# Altium PCB Power_Board_2.PcbDoc (part 5 of 6)
Units mil, origin at the board's own origin, x right, y up, seen from the top; angles counter-clockwise.
Board outline 6295 x 3940 mil, 4 copper layers (Top Layer, Layer 1, Layer 2, Bottom Layer), stack 70.112 mil thick; 302 components, 180 nets, 927 pads, 3118 vias.
Unrouted connection lines stored in the file: 443.
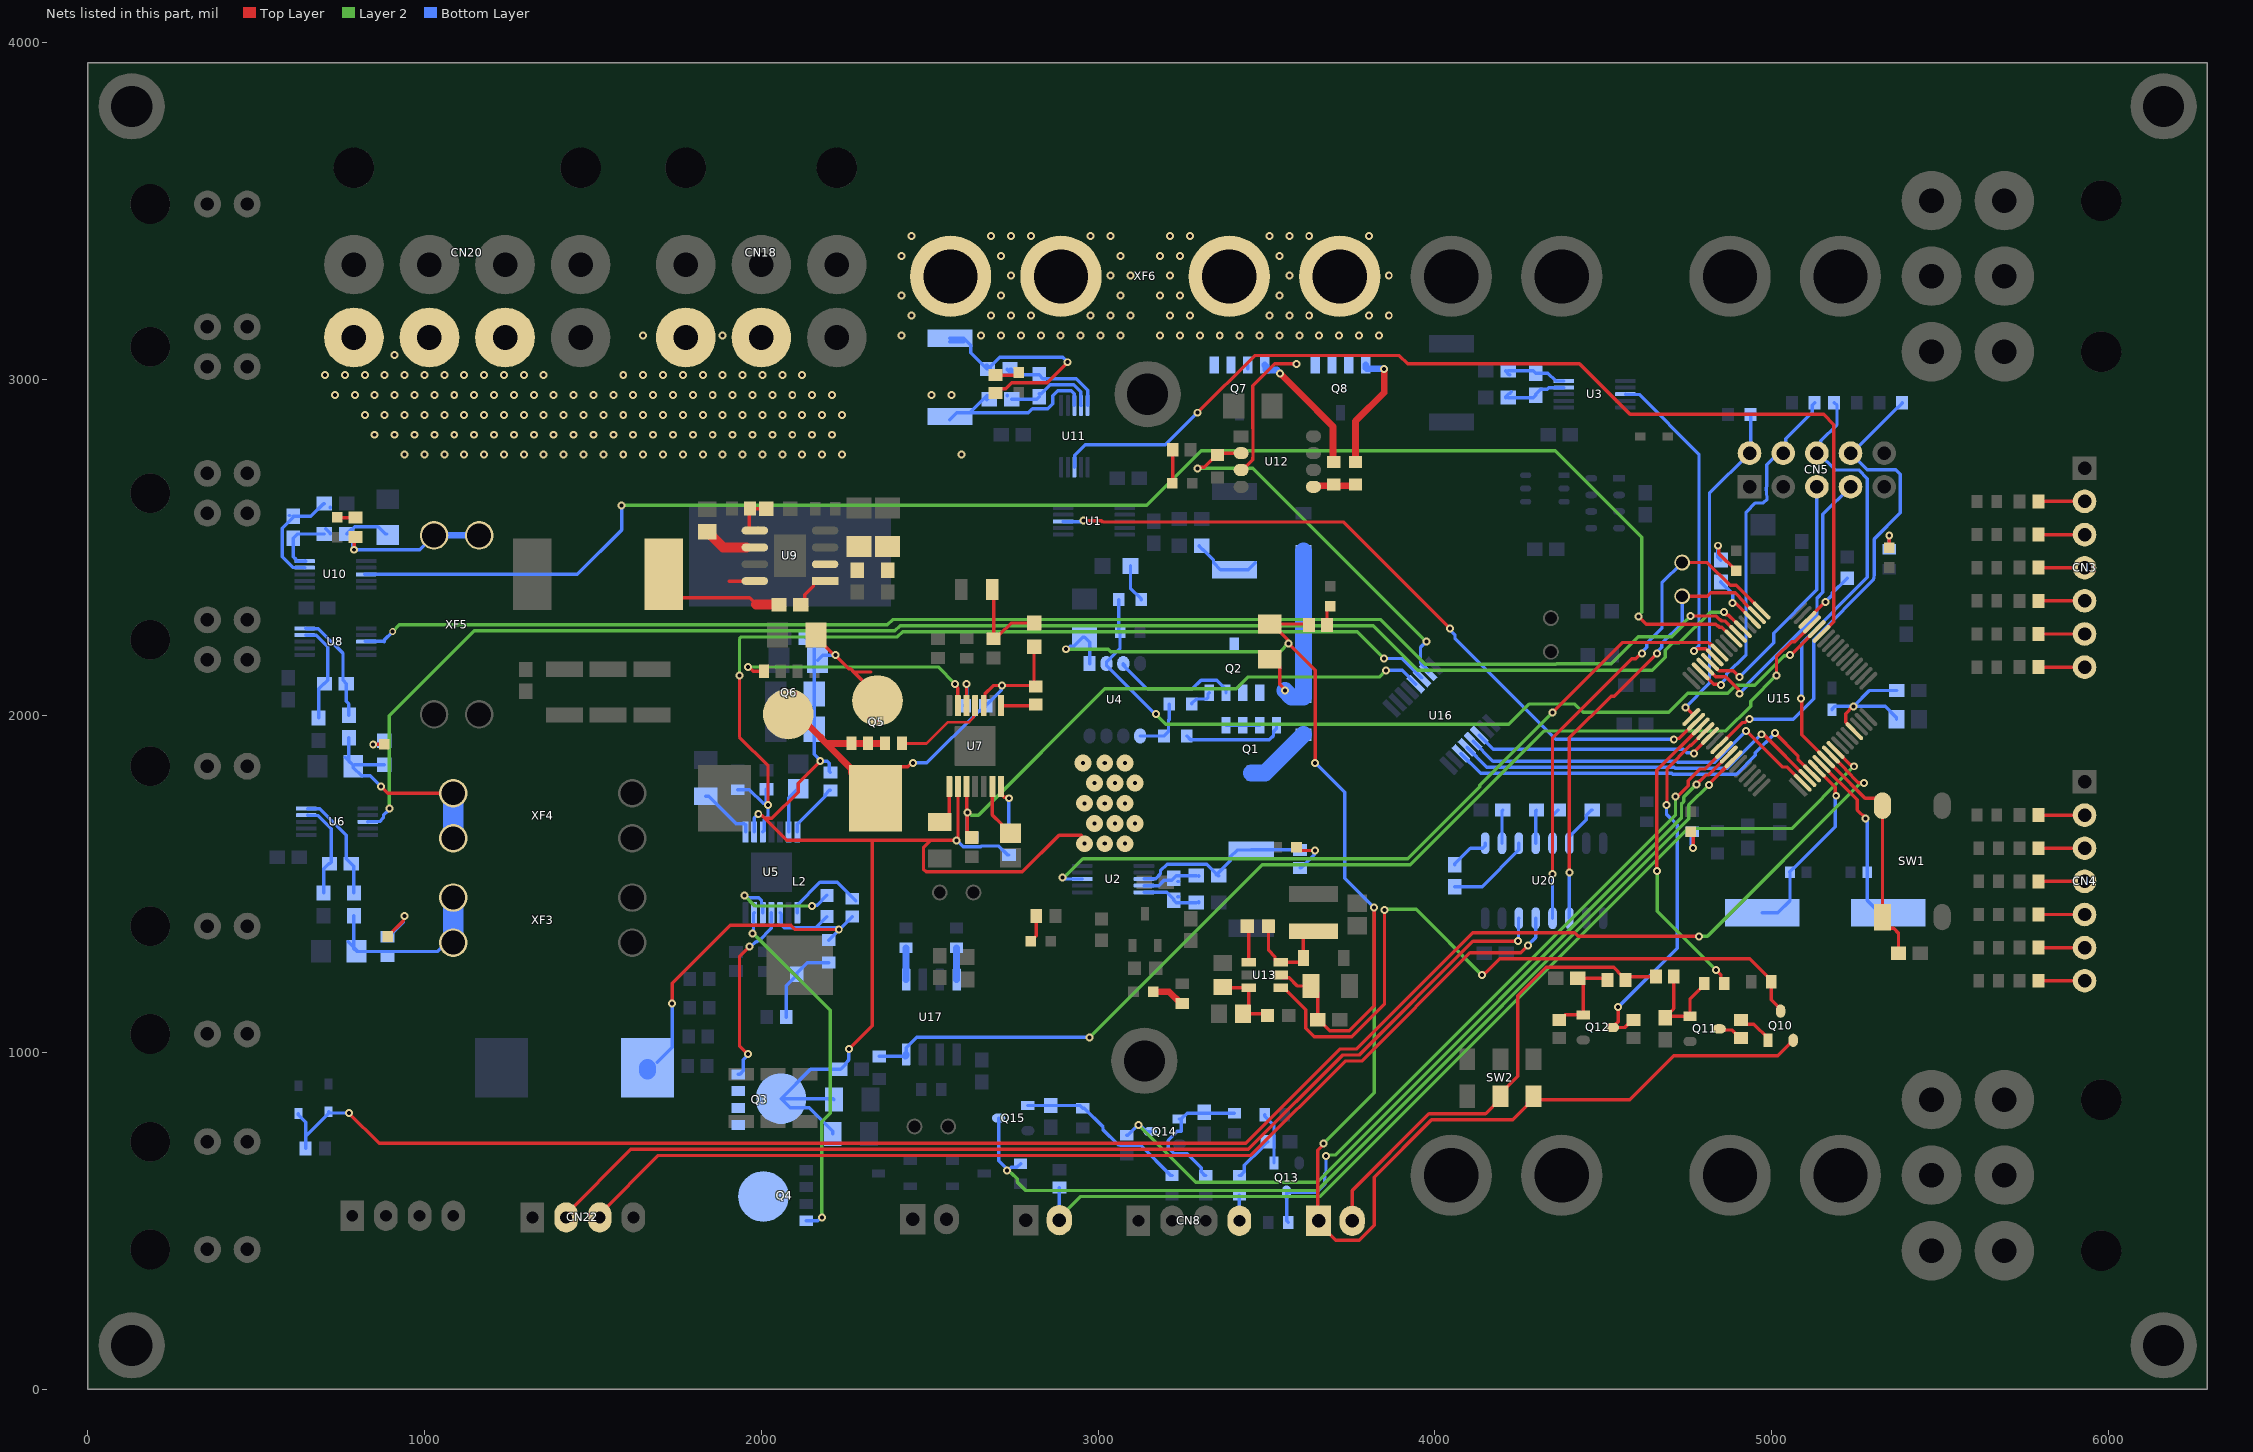
[diagram p6: the nets of this part, all layers, seen from the top]

## Via types
v1: diameter 23.62, hole 11.81, Top Layer to Bottom Layer, tented both sides, 3092 vias
v2: diameter 50, hole 12, Top Layer to Bottom Layer, tented both sides, 15 vias
v3: diameter 15.75, hole 7.87, Top Layer to Bottom Layer, tented both sides, 8 vias
v4: diameter 20, hole 12, Top Layer to Bottom Layer, tented both sides, 3 vias

## Nets (pads, with @x,y where several pads share a name; then routed paths per layer and width w, separated by ;. In a path a pad name is that pad's centre, name@x,y a point inside that pad or via, vN(x,y) a via of type N, cw(c..) or ccw(c..) an arc to the next point about the centre after c; other vN are vias at no path point) (continued)
NetC4_1: C4.1 R16.2 U2.9 | length 173.3
  Bottom Layer w10: U2.9@3136.54,1495.31 3180.18,1495.31 3195.93,1511.07 3218.51,1511.07 3232.44,1525 R16.2@3291.5,1525 ; C4.1@3236.06,1507.64 C4.1@3240,1507.64 ; R16.2@3299.38,1522.92 R16.2@3299.38,1525
NetC4_2: C4.2 R15.2 U2.10 | length 175.4
  Bottom Layer w10: U2.10@3136.54,1475.63 3204.69,1475.63 3225,1455.32 C4.2@3225,1452.44 3232.44,1445 R15.2@3291.5,1445 ; C4.2@3236.06,1462.36 C4.2@3240,1462.36 ; R15.2@3299.38,1445 R15.2@3299.38,1447.08
NetC5_1: C5.1 R18.2 U3.10 | length 195.8
  Bottom Layer w10: R18.2@4210.62,3025 4210.62,3022.92 4220.52,3013.03 R18.2@4222.6,3013.03 ; R18.2@4218.5,3025 4292.56,3025 C5.1@4300,3017.56 4335.67,3017.56 4358.86,2994.37 U3.10@4383.46,2994.37
NetC5_2: C5.2 R17.2 U3.9 | length 204.7
  Bottom Layer w10: R17.2@4210.62,2945 4210.62,2947.08 4220.52,2956.97 4222.6,2956.97 R17.2@4227.99,2962.36 ; R17.2@4218.5,2945 4292.56,2945 C5.2@4300,2952.44 4300,2955.32 4314.92,2970.24 4334.92,2970.24 4338.59,2973.91 4382.68,2973.91 U3.9@4383.46,2974.69
NetC11_1: C11.1 L1.1 Q3.1 Q3.2 Q3.3 Q4.5-6-7-8 R47.2 R48.1 U5.10 | length 1204.3
  Top Layer w10: v1(1735,1145) 1735,1205 1907.58,1377.58 2088.07,1377.58 2100.65,1365 v1(2230,1365)
  Bottom Layer w10: L1.1@1661.54,955 L1.1@1665,958.46 ; L1.1@1690,970 1735,1015 v1(1735,1145) ; U5.10@2055.59,1414.92 2059.32,1411.19 2059.32,1379.18 2068.08,1370.43 2161.92,1370.43 ; C11.1@2195,1403.5 2161.92,1370.43 ; R48.1@2200,1333.46 2236.96,1370.43 2161.92,1370.43 ; v1@2237,1370.43 R47.2@2270,1403.43
  Bottom Layer w50: L1.1@1661.54,945.16 L1.1@1661.54,955
NetC11_2: C11.2 U5.12 | length 365.8
  Layer 2 w10: v1(1949.81,1466.23) 1981.04,1435 v1(2150,1435)
  Bottom Layer w10: v1(1949.81,1466.23) 1953.5,1466.23 1960.31,1459.42 1991.92,1459.42 2000.68,1450.66 2000.68,1441.42 2004.41,1437.68 U5.12@2004.41,1414.92 ; v1(2150,1435) 2152.61,1437.61 2166.11,1437.61 C11.2@2195,1466.5
NetC12_2: C12.2 R44.2 U5.3 U16.14 | length 2858.3
  Top Layer w10: v1(1935,2120) 1935,1936.73 2020,1851.73 v1(2020,1735)
  Layer 2 w10: v1(1935,2120) 1935,2228.14 1940.86,2234 2404,2234 2419.81,2249.81 3770.19,2249.81 v1(3850,2170)
  Bottom Layer w10: R44.2@1930,1780.47 1964.69,1780.47 2005.16,1740 v1@2015,1740 ; U5.3@2004.41,1655.08 2008.14,1658.81 2008.14,1690.82 2020,1702.68 v1(2020,1735) v1@2015,1740 ; C12.2@2015,1781.46 v1@2015,1740 ; v1(3850,2170) 3904.29,2170 U16.14@3962.23,2112.05
NetC15_2: C15.2 C18.2 R48.2 | length 251.3
  Bottom Layer w10: C18.2@2073.54,1105 2073.54,1198.11 2105,1229.57 C15.2@2105,1232.44 2105,1235.32 2136.22,1266.54 R48.2@2200,1266.54
NetC16_1: C16.1 R50.2 U6.9 | length 288.5
  Bottom Layer w10: U6.9@652.4,1704.69 653.18,1703.91 683.22,1703.91 722.36,1664.76 722.36,1564.92 C16.1@717.44,1560 714.92,1560 700,1545.08 R50.2@700,1473.5
NetC16_2: C16.2 R49.2 U6.10 | length 328.8
  Bottom Layer w10: U6.10@652.4,1724.37 653.18,1723.59 688.99,1723.59 767.64,1644.94 767.64,1574.92 C16.2@782.56,1560 790,1552.56 R49.2@790,1473.5
NetC17_1: C17.1 U5.6 | length 141.6
  Bottom Layer w10: U5.6@2081.18,1655.08 2081.18,1756.73 2108,1783.55 C17.1@2110,1783.55
NetC21_2: C21.2 U5.1 | length 174.2
  Bottom Layer w10: C21.2@1835,1760.87 1843.86,1760.87 1925.1,1679.63 1949.37,1679.63 1953.23,1675.77 U5.1@1953.23,1655.08
NetC28_1: C28.1 L2.1 Q5.1 Q5.2 Q5.3 Q6.5-6-7-8 R58.2 R59.2 U7.10 | length 1393.8
  Top Layer w10: L2.1@2338.82,1774.68 2412.56,1848.43 2434.74,1848.43 2446.31,1860 v1(2450,1860) ; U7.10@2660.59,2030.08 2664.32,2033.81 2664.32,2065.82 2688.19,2089.68 2714.68,2089.68 v1(2715,2090) R58.2@2811.57,2090 ; R59.2@2810,2204.57 2810,2091.57 R58.2@2811.57,2090 ; R58.2@2815,2086.57 R58.2@2811.57,2090
  Top Layer w20: Q6.5-6-7-8@2107.17,2005 2176.09,1936.09 2177.42,1936.09 2177.42,1933.25 2192.81,1917.86 ; L2.1@2277.24,1833.43 2192.81,1917.86 ; Q5.3@2367.24,1917.86 Q5.2@2317.24,1917.86 2192.81,1917.86
  Top Layer w40: L2.1@2277.24,1833.43 2280.08,1833.43 2338.82,1774.68 L2.1@2338.82,1755
  Top Layer w50: Q6.5-6-7-8@2080,2005 Q6.5-6-7-8@2107.17,2005
  Layer 2 w10: v1@2714.68,2089.68 v1(2715,2090)
  Bottom Layer w10: v1(2450,1860) 2491.18,1860 2646.57,2015.39 2651.81,2015.39 2660.59,2024.17 C28.1@2660.59,2035.98 ; C28.1@2666.5,2030.08 C28.1@2660.59,2035.98 ; v1(2715,2090) 2712.39,2087.39 2712.39,2075.98 2672.4,2035.98 C28.1@2660.59,2035.98
NetC28_2: C28.2 U7.12 | length 132.8
  Top Layer w10: U7.12@2609.41,2030.08 2609.41,2094.41 v1(2610,2095)
  Bottom Layer w10: C28.2@2603.5,2030.08 2610,2036.57 v1(2610,2095)
NetC29_2: C29.2 R55.2 U7.3 U16.13 | length 1771.8
  Top Layer w10: U7.3@2609.41,1789.92 2610.19,1789.14 v1@2610.19,1714.81 ; v1@2610,1715 v1@2610.19,1714.81 ; C29.2@2625,1638.54 2611.79,1651.75 v1(2611.79,1713.21) ; v1@2610.19,1714.81 v1(2611.79,1713.21) ; v1@2610.19,1714.81 v1(2611.79,1713.21)
  Layer 2 w10: v1(2611.79,1713.21) 2615.48,1713.21 2623.69,1705 2645,1705 3020.19,2080.19 3410.19,2080.19 3445,2115 3835,2115 v1(3855,2135)
  Bottom Layer w10: v1(2611.79,1713.21) 2611.79,1650.28 2622.54,1639.53 R55.2@2625,1639.53 ; v1(3855,2135) 3903.1,2135 U16.13@3944.14,2093.96
NetC30_2: C30.2 C34.2 R59.1 | length 274.1
  Top Layer w10: C34.2@2686.26,2375 2690,2371.26 C30.2@2690,2228.54 ; C30.2@2700,2236.57 2705.67,2242.24 2708.7,2242.24 2741.89,2275.43 R59.1@2810,2275.43
NetC32_1: C32.1 R61.2 U8.9 | length 303.5
  Bottom Layer w10: U8.9@647.4,2239.69 648.18,2238.91 678.22,2238.91 712.36,2204.76 712.36,2104.92 C32.1@702.44,2095 699.92,2095 685,2080.08 R61.2@685,1993.5
NetC32_2: C32.2 R60.2 U8.10 | length 331.2
  Bottom Layer w10: U8.10@647.4,2259.37 648.18,2258.59 683.99,2258.59 757.64,2184.94 757.64,2104.92 C32.2@767.56,2095 767.56,2042.44 775,2035 R60.2@775,2002
NetC33_1: C33.1 U7.6 | length 161.9
  Top Layer w10: U7.6@2686.18,1789.92 2686.18,1705.27 2714.37,1677.08 2714.37,1675.08 2738,1651.45 C33.1@2740,1651.45
NetC37_2: C37.2 U7.1 | length 121.4
  Top Layer w10: C37.2@2530,1684.13 2536.65,1684.13 2558.23,1705.71 U7.1@2558.23,1789.92
NetC39_1: C39.1 U9.1 | length 116
  Top Layer w10: C39.1@2117.56,2330 2129.07,2341.51 2129.07,2359.07 2154.88,2384.88 2154.88,2393.3 2161.58,2400 U9.1@2189.35,2400
NetC39_2: C39.2 L3.1 U9.8 | length 461.9
  Top Layer w10: L3.1@1709.88,2420 1709.88,2402.09 1761.97,2350 1965,2350 1985,2330 ; 1904.25,2400 U9.8@1978.7,2400
  Top Layer w30: 1985,2330 C39.2@2049.57,2330
NetC42_1: C42.1 R70.2 U10.9 | length 325.9
  Bottom Layer w10: C42.1@597.2,2594.76 C42.1@600.08,2594.76 ; U10.9@643.46,2439.69 642.68,2440.46 608.71,2440.46 577.08,2472.1 577.08,2556.76 610,2589.68 C42.1@610,2592.56 662.2,2592.56 699.64,2630 R70.2@701.5,2630 ; R70.2@719.38,2617.92 R70.2@719.38,2620
NetC42_2: C42.2 R69.2 U10.10 | length 216.6
  Bottom Layer w10: U10.10@643.46,2459.37 618.86,2459.37 617.95,2460.28 617.95,2464.13 610,2472.09 C42.2@610,2527.44 622.56,2540 R69.2@701.5,2540 ; U10.10@645,2460.28 645.91,2459.37 U10.10@647.4,2459.37 ; R69.2@706.14,2555.32 719.38,2542.08 R69.2@719.38,2540
NetC45_2: C45.2 U9.6 | length 137.8
  Top Layer w30: C45.2@1840,2546.54 1843.94,2546.54 1852.56,2537.91 1852.56,2533.98 1886.54,2500 U9.6@1956.18,2500
NetC51_1: C51.1 R77.2 U11.9 | length 271.4
  Bottom Layer w10: R77.2@2730.62,2950 R77.2@2730.62,2952.08 ; R77.2@2743.5,2940 2817.56,2940 C51.1@2825,2947.44 ; C51.1@2824.76,2956.4 2831.09,2956.4 2857.73,2983.05 2927.92,2983.05 2948.91,2962.06 2948.91,2922.32 U11.9@2949.69,2921.54
NetC51_2: C51.2 R76.2 U11.10 | length 320.6
  Bottom Layer w10: R76.2@2730.62,3030 2730.62,3027.92 2740.52,3018.03 R76.2@2742.6,3018.03 ; R76.2@2738.5,3030 2740.36,3030 2757.8,3012.56 C51.2@2825,3012.56 2836.51,3001.05 2935.38,3001.05 2969.37,2967.05 U11.10@2969.37,2921.54
NetC54_1: C54.1 D8.K L4.1 U13.6 | length 300
  Top Layer w10: C54.1@3506.5,1375 3506.5,1303.15 3525.59,1284.06 3525.59,1275.2 3533.39,1267.4 U13.6@3542.24,1267.4 3598.23,1267.4 3609.96,1279.13 D8.K@3609.96,1280 3609.96,1341.26 3628.58,1359.88 L4.1@3640,1359.88
NetC54_2: C54.2 U13.1 | length 109.4
  Top Layer w10: C54.2@3443.5,1375 3447.76,1370.75 U13.1@3447.76,1267.4
NetC58_2: C58.2 R82.2 R83.2 U13.3 | length 238.5
  Top Layer w10: R83.2@3370,1194.57 3371.97,1192.6 U13.3@3447.76,1192.6 3447.76,1132.32 R82.2@3430.43,1115 3498.5,1115 C58.2@3503.5,1110
NetC63_2: C63.2 U15.30 | length 144.9
  Top Layer w10: U15.30@5126.32,2304.43 v1(5160.19,2338.3)
  Bottom Layer w10: v1(5160.19,2338.3) 5179.99,2358.1 5179.99,2363.49 C63.2@5225,2408.5
NetC76_1: C76.1 U20.3 | length 254.9
  Bottom Layer w10: C76.1@4060,1492.44 4140.91,1492.44 4250,1601.54 U20.3@4250,1621.22
NetC76_2: C76.2 U20.1 | length 122.4
  Bottom Layer w10: C76.2@4060,1557.56 4060,1560.43 4106.1,1606.54 4142.8,1606.54 4150,1613.74 U20.1@4150,1621.22
NetC77_1: C77.1 U20.2 | length 99.8
  Bottom Layer w10: U20.2@4200,1621.22 4200,1717.44 C77.1@4202.56,1720
NetC78_1: C78.1 U20.5 | length 107.6
  Bottom Layer w10: U20.5@4350,1621.22 4350,1705.08 4364.92,1720 C78.1@4367.56,1720
NetC78_2: C78.2 U20.4 | length 99.8
  Bottom Layer w10: U20.4@4300,1621.22 4300,1717.56 C78.2@4302.44,1720
NetC79_1: C79.1 U20.6 | length 128.4
  Bottom Layer w10: U20.6@4400,1621.22 4400,1640.91 4449.64,1690.55 4449.64,1705.08 4464.57,1720 C79.1@4467.44,1720
NetC83_1: C83.1 Q11.1 R107.1 R108.1 | length 323.2
  Top Layer w10: R107.1@4710,1225 4710,1130.43 4685,1105.43 C83.1@4685,1102.56 4689.84,1107.4 Q11.1@4758.39,1107.4 4758.39,1158.98 4800.47,1201.06 R108.1@4800.47,1205
NetC84_1: C84.1 Q12.1 R109.1 R112.2 | length 282.4
  Top Layer w10: R112.2@4370,1096.57 4372.95,1096.57 4387.92,1111.54 Q12.1@4441.06,1111.54 4441.06,1205.08 C84.1@4426.14,1220 ; C84.1@4425,1220 C84.1@4426.14,1220 ; R109.1@4513.43,1215 4508.43,1220 C84.1@4426.14,1220
NetC85_1: C85.1 Q13.1 R114.1 R117.2 | length 294.2
  Bottom Layer w10: R114.1@3420,634.53 3423.94,634.53 3434.69,645.28 3434.69,664.8 3487.08,717.2 3487.08,720.08 3502.01,735 C85.1@3504.88,735 ; R117.2@3495.47,815 3495.47,811.06 3522.6,783.94 Q13.1@3522.6,671.61
NetC86_1: C86.1 Q14.1 R115.1 R118.2 | length 431.5
  Bottom Layer w10: Q14.1@3241.61,802.4 Q14.1@3247.52,802.4 ; R115.1@3320,634.53 3317.08,634.53 3306.33,645.28 3306.33,657.51 3263.84,700 3225.44,700 3208.93,716.51 3208.93,738.69 3235.71,765.47 3247.52,765.47 Q14.1@3247.52,802.4 ; R118.2@3405,819.53 3264.65,819.53 Q14.1@3247.52,802.4
NetC87_1: C87.1 Q15.1 R116.1 R119.1 | length 519
  Bottom Layer w10: Q15.1@2791.61,842.4 2947.13,842.4 R119.1@2955,834.53 2958.94,834.53 3014.81,778.66 3014.81,770.9 3059.93,725.78 3063.87,725.78 3065.43,724.22 3126.37,724.22 3216.06,634.53 R116.1@3220,634.53
NetCN3_2: CN3.2 R19.1 | length 140.4
  Top Layer w10: R19.1@5789.61,2636.57 CN3.2@5930,2636.57
NetCN3_3: CN3.3 R20.1 | length 140.4
  Top Layer w10: R20.1@5789.61,2538.15 CN3.3@5930,2538.15
NetCN3_4: CN3.4 R21.1 | length 140.4
  Top Layer w10: R21.1@5789.61,2439.72 CN3.4@5930,2439.72
NetCN3_5: CN3.5 R22.2 | length 140.4
  Top Layer w10: R22.2@5789.61,2341.3 CN3.5@5930,2341.3
NetCN3_6: CN3.6 R23.1 | length 140.4
  Top Layer w10: R23.1@5789.61,2242.87 CN3.6@5930,2242.87
NetCN3_7: CN3.7 R24.1 | length 140.4
  Top Layer w10: R24.1@5789.61,2144.45 CN3.7@5930,2144.45
NetCN4_2: CN4.2 R37.1 | length 140.4
  Top Layer w10: R37.1@5789.61,1705 CN4.2@5930,1705
NetCN4_3: CN4.3 R38.1 | length 136.5
  Top Layer w10: R38.1@5793.54,1606.58 CN4.3@5930,1606.57
NetCN4_4: CN4.4 R39.1 | length 136.5
  Top Layer w10: R39.1@5793.54,1508.15 CN4.4@5930,1508.15
NetCN4_5: CN4.5 R40.2 | length 136.5
  Top Layer w10: R40.2@5793.54,1409.72 CN4.5@5930,1409.72
NetCN4_6: CN4.6 R41.1 | length 136.5
  Top Layer w10: R41.1@5793.54,1311.3 CN4.6@5930,1311.3
NetCN4_7: CN4.7 R42.1 | length 136.5
  Top Layer w10: R42.1@5793.54,1212.87 CN4.7@5930,1212.87
NetCN7_2: CN7.2 R102.1 U15.9 | length 3093.9
  Top Layer w10: U15.9@5190.4,1898.52 5236.31,1852.61 5242.39,1852.61 v1(5245,1850)
  Layer 2 w10: CN7.2@2885,501.97 2885,509.47 2947.53,572 3658.37,572 4751.37,1665 5060,1665 v1(5245,1850)
  Bottom Layer w10: CN7.2@2885,501.97 R102.1@2885,598.43
NetCN8_4: CN8.4 R114.2 | length 75.5
  Bottom Layer w10: CN8.4@3420,500 R114.2@3420,575.47
NetD1_2: D1.2 R2.1 | length 132
  Top Layer w10: D1.2@3589.53,1610 3599.53,1600 v1(3645,1600)
  Bottom Layer w10: R2.1@3600,1548.43 3602.95,1548.43 3625.39,1570.86 3626.05,1570.86 3642.39,1587.2 3642.39,1597.39 v1(3645,1600)
NetD2_2: D2.2 R3.2 | length 100.6
  Top Layer w10: D2.2@3220.47,2690 3221.85,2691.38 R3.2@3221.85,2790
NetD3_2: D3.2 R27.2 | length 113.3
  Bottom Layer w10: D3.2@3096.34,2445 3096.34,2379.09 3128.46,2346.97 R27.2@3128.46,2345
NetD4_2: D4.2 R43.2 | length 165.1
  Top Layer w10: D4.2@890,1344.53 937.39,1391.92 937.39,1402.39 v1(940,1405)
  Bottom Layer w10: R43.2@890,1343.54 892.95,1343.54 937.39,1387.98 937.39,1402.39 v1(940,1405)
NetD5_2: D5.2 R54.2 | length 69.6
  Top Layer w10: v1(847.34,1915.04) D5.2@880,1915 D5.2@880,1915
  Bottom Layer w10: v1(847.34,1915.04) 869.61,1915.04 R54.2@880,1925.43
NetD6_2: D6.2 R66.1 | length 64
  Top Layer w10: D6.2@740,2589.53 740.98,2588.54 R66.1@795,2588.54 R66.1@795,2580
NetD7_2: D7.2 R75.2 | length 73.3
  Top Layer w10: R75.2@2695,3011.57 2757.05,3011.57 D7.2@2765,3019.53
NetD9_K: D9.K D10.K F1.2 | length 611.1
  Top Layer w10: F1.2@3510,2167.64 3517.09,2167.64 3540.04,2144.68 3540.04,2093.65 3555,2078.69 v1(3555,2075)
  Bottom Layer w50: v1(3555,2075) 3573.9,2056.1 D9.K@3610,2056.1 D10.K@3610,2488.9
NetD11_2: D11.2 R84.2 | length 81.3
  Top Layer w10: D11.2@2800.71,1330.24 2816.46,1345.98 R84.2@2816.46,1405
NetD12_2: D12.2 R85.1 | length 99.8
  Top Layer w20: D12.2@3164.53,1180 3211.54,1180 3246.06,1145.47 R85.1@3250,1145.47
NetD13_2: D13.2 R86.1 | length 59.6
  Top Layer w10: R86.1@3680,2270 3680,2315.47 D13.2@3690,2325.47
NetD14_2: D14.2 R88.1 | length 75.8
  Top Layer w10: D14.2@5350,2499.53 v1(5350,2534.91)
  Bottom Layer w10: R88.1@5350,2494.53 v1(5350,2534.91)
NetD15_2: D15.2 R90.1 | length 102.3
  Top Layer w10: D15.2@4760,1655.47 4767.54,1647.93 v1(4767.54,1607.46)
  Bottom Layer w10: R90.1@4765,1655.47 4762.46,1652.93 4762.46,1616.23 4767.54,1611.14 v1(4767.54,1607.46)
NetD16_2: D16.2 R93.2 | length 143.6
  Top Layer w10: v1(4840.9,2505) 4843.51,2502.39 4843.51,2481.96 D16.2@4895,2430.47
  Bottom Layer w10: v1(4840.9,2505) 4840.9,2471.2 R93.2@4850,2462.1
NetD18_A: D18.A D19.K R104.1 U15.8 | length 5398.2
  Top Layer w10: v1(775,820) 865,730 3439,730 3719.44,1010.44 3768.11,1010.44 4112.96,1355.29 4416.54,1355.29 4426.83,1345 v1(4785,1345) ; U15.8@5176.48,1884.6 5220.19,1840.89 5220.19,1839.72 5258.5,1801.41 5273.59,1801.41 v1(5275,1800)
  Layer 2 w10: v1(4785,1345) 4810.18,1345 5262.57,1797.39 5272.39,1797.39 v1(5275,1800)
  Bottom Layer w10: D19.K@625,818.66 625,814.72 646.46,793.27 646.46,751.18 ; R104.1@646.46,715 646.46,751.18 ; v1(775,820) 718.66,820 D18.A@715,823.66 715,819.72 646.46,751.18
NetQ1_1: Q1.1 Q1.2 Q1.3 Q2.1 Q2.2 Q2.3 U4.3 | length 475.7
  Bottom Layer w10: U4.3@3075,2155 3075,2150.47 U4.3@3079.98,2145.49 ; U4.3@3080,2150.04 U4.3@3080,2145.51 ; Q1.1@3380,1971.73 Q1.2@3430,1971.73 Q1.3@3480,1971.73 ; Q2.3@3380,2068.27 3380,2079.09 3353.22,2105.87 3305.87,2105.87 3280.19,2080.19 3145.28,2080.19 U4.3@3079.98,2145.49
NetQ1_4: Q1.4 R25.2 | length 315.8
  Bottom Layer w10: R25.2@3273.46,1930 R25.2@3263.46,1940 3274.59,1928.87 3508.87,1928.87 3521.22,1941.22 3521.22,1952.13 3530,1960.91 Q1.4@3530,1971.73
NetQ2_4: Q2.4 R26.2 | length 72.2
  Bottom Layer w10: R26.2@3278.46,2035 3278.46,2036.97 3291.18,2049.69 3321.22,2049.69 3326.73,2055.2 3326.73,2065 Q2.4@3330,2068.27
NetQ2_5: Q2.5 R4.1 R7.1 | length 210.3
  Bottom Layer w10: R4.1@3300.62,2505 3300.62,2502.92 3310.52,2493.03 3312.6,2493.03 3343.07,2462.55 3343.07,2454.45 3363.66,2433.86 3446.34,2433.86 R7.1@3466.93,2454.45
NetQ3_4: Q3.4 U5.11 | length 550.8
  Top Layer w10: v1(1960,995) 1935,1020 1935,1284.52 v1(1965.48,1315)
  Bottom Layer w10: Q3.4@1931.63,935 1936.63,935 1946.63,945 1946.63,977.95 1960,991.31 v1(1960,995) ; v1(1965.48,1315) 1969.17,1315 1982.12,1327.96 1984.61,1327.96 1988.6,1331.95 1993.52,1331.95 2030,1368.43 U5.11@2030,1414.92
NetQ4_4: Q4.4 U5.13 | length 1065.2
  Layer 2 w10: v1(1974.3,1352.77) 1975.92,1352.77 1984.37,1344.31 1985.69,1344.31 2205,1125 2205,819.34 2180,794.34 v1(2180,510)
  Bottom Layer w10: v1(1974.3,1352.77) 1976.56,1355.02 1976.56,1412.66 U5.13@1978.82,1414.92 ; Q4.4@2133.37,500 2167.85,500 2177.85,510 v1(2180,510)
NetQ5_4: Q5.4 U7.11 | length 282.2
  Top Layer w8: Q5.4@2417.24,1917.86 2490.81,1917.86 2554,1981.06 2616.57,1981.06 2630.27,1994.75 2630.27,2025.35 U7.11@2635,2030.08
NetQ6_4: Q6.4 U7.13 | length 757.7
  Top Layer w10: v1(1959.81,2145) 1963.5,2145 1976.35,2132.14 Q6.4@2007.76,2132.14 ; v1(2575,2095) 2575,2091.31 2583.82,2082.49 U7.13@2583.82,2030.08
  Layer 2 w10: v1(1959.81,2145) 2525,2145 v1(2575,2095)
NetQ7_1: Q7.1 Q7.2 Q7.3 Q8.1 Q8.2 Q8.3 U12.3 XF6.1 XF6.2 | length 439
  Top Layer w10: U12.3@3425,2730 3429.53,2730 3460,2760.47 3460,2766.75 3460.44,2767.2 3460.44,2853.3 3460,2853.74 3460,2980 3525,3045 v1(3590,3045)
  Bottom Layer w10: Q7.3@3445,3030.91 Q7.3@3445,3041.73 ; v1@3587.39,3042.39 v1(3590,3045)
  other v1: 3184.41,3129.92 3243.46,3129.92 3302.52,3129.92 3361.57,3129.92 3420.63,3129.92 3479.68,3129.92 3538.74,3129.92 3597.79,3129.92 3656.85,3129.92 3715.9,3129.92 3774.96,3129.92 3834.01,3129.92 3213.94,3188.98 3272.99,3188.98 3509.21,3188.98 3568.27,3188.98 3627.32,3188.98 3804.49,3188.98 3863.54,3188.98 3184.41,3248.03 3243.46,3248.03 3538.74,3248.03 3213.94,3307.09 3568.27,3307.09 3863.54,3307.09 3184.41,3366.14 3243.46,3366.14 3538.74,3366.14 3213.94,3425.2 3272.99,3425.2 3509.21,3425.2 3568.27,3425.2 3627.32,3425.2 3804.49,3425.2
NetQ7_4: Q7.4 R78.1 | length 391.8
  Top Layer w20: v1(3540,3017.19) 3599.38,2957.81 3698.03,2859.16 R78.1@3698.03,2753.46
  Bottom Layer w20: Q7.4@3495,3041.73 3498.78,3037.95 3498.78,3027.13 3531.89,3027.13 3531.89,3026.28 3540,3018.17 v1(3540,3017.19)
NetQ8_4: Q8.4 R79.1 | length 375.9
  Top Layer w20: R79.1@3765,2753.46 3765,2875 3850,2960 v1(3850,3030)
  Bottom Layer w20: Q8.4@3795,3041.73 3795,3034.47 3798.78,3030.69 3849.31,3030.69 v1(3850,3030)
NetQ10_1: Q10.1 R110.2 | length 108.5
  Top Layer w10: R110.2@4910,1096.57 4922.72,1083.86 4948.11,1083.86 4990,1041.97 Q10.1@4990,1036.06
NetQ10_3: Q10.3 R113.1 U13.4 | length 2100.5
  Top Layer w10: U13.4@3542.24,1192.6 3551.1,1192.6 3616.64,1127.06 3616.64,1072.05 3642.26,1046.44 3753.2,1046.44 3850.98,1144.22 v1(3850.98,1423.66) ; v1(4140,1230) 4143.69,1230 4150.14,1236.46 4151.46,1236.46 4193.04,1278.04 4935.43,1278.04 4999.53,1213.94 R113.1@4999.53,1210 4999.53,1156.46 5027.4,1128.58 Q10.3@5027.4,1122.68
  Layer 2 w10: v1(3850.98,1423.66) 3852.22,1424.91 3945.09,1424.91 v1(4140,1230)
NetQ11_3: Q11.3 R110.1 | length 76
  Top Layer w10: Q11.3@4845,1070 4848.36,1066.64 4883.83,1066.64 4907.05,1043.43 R110.1@4910,1043.43
NetQ12_3: Q12.3 R111.1 U15.52 | length 1093.2
  Top Layer w10: Q12.3@4527.68,1074.14 Q12.3@4528.83,1074.14 ; v1(4545,1135) 4545,1091.46 4536.94,1083.4 4536.94,1082.25 Q12.3@4528.83,1074.14 ; R111.1@4590,1096.57 4587.05,1096.57 4564.61,1074.14 Q12.3@4528.83,1074.14 ; v1(4688.44,1735) 4690,1736.56 4690,1842.66 4759.42,1912.08 4761.81,1912.08 U15.52@4803.93,1954.2
  Bottom Layer w10: v1(4545,1135) 4720,1310 4720,1675.8 4688.44,1707.35 v1(4688.44,1735)
NetQ13_3: Q13.3 R120.1 U15.56 | length 2023.5
  Top Layer w10: v1(4715,1760) 4717.61,1762.61 4722.69,1762.61 4752.73,1792.65 4752.73,1806.74 4787.98,1841.98 4803.06,1841.98 U15.56@4859.6,1898.52
  Layer 2 w10: v1(3677,693) 3679.61,695.61 3705.61,695.61 4715,1705 v1(4715,1760)
  Bottom Layer w10: R120.1@3564.53,495 3560,499.53 Q13.3@3560,585 3650,585 3673.79,608.79 3673.79,639.79 3677,643 v1(3677,693)
NetQ14_3: Q14.3 R121.1 U15.57 | length 2472.6
  Top Layer w10: v1(4777.55,1796.46) 4805.07,1823.98 4812.9,1823.98 U15.57@4873.52,1884.6
  Layer 2 w10: v1(3120,785) 3290,615 3650.46,615 4733,1697.54 4733,1738.46 4739.81,1745.27 4739.81,1758.72 v1(4777.55,1796.46)
  Bottom Layer w10: R121.1@3085,754.53 3088.94,754.53 3119.41,785 v1(3120,785) 3122.61,782.39 3126.95,782.39 3144.34,765 Q14.3@3155,765
NetQ15_3: Q15.3 R122.2 U15.58 | length 2955.8
  Top Layer w10: v1(4815,1795) 4815,1797.62 4887.44,1870.06 U15.58@4887.44,1870.68
  Layer 2 w10: v1(2730,650) 2733.69,650 2750.43,633.25 2751.75,633.25 2759.77,625.23 2759.77,615.23 2785,590 3650.91,590 4755,1694.09 4755,1735 v1(4815,1795)
  Bottom Layer w10: Q15.3@2705,805 2705,678.69 2733.69,650 2742.47,658.78 2759.25,658.78 R122.2@2770,669.53
NetR25_1: R25.1 R26.1 U4.5 | length 172.8